# KiCad board fpga.kicad_pcb
title: CPArti: Artix-7 FPGA Development Board; date: 2024-08-22; rev: 1.0
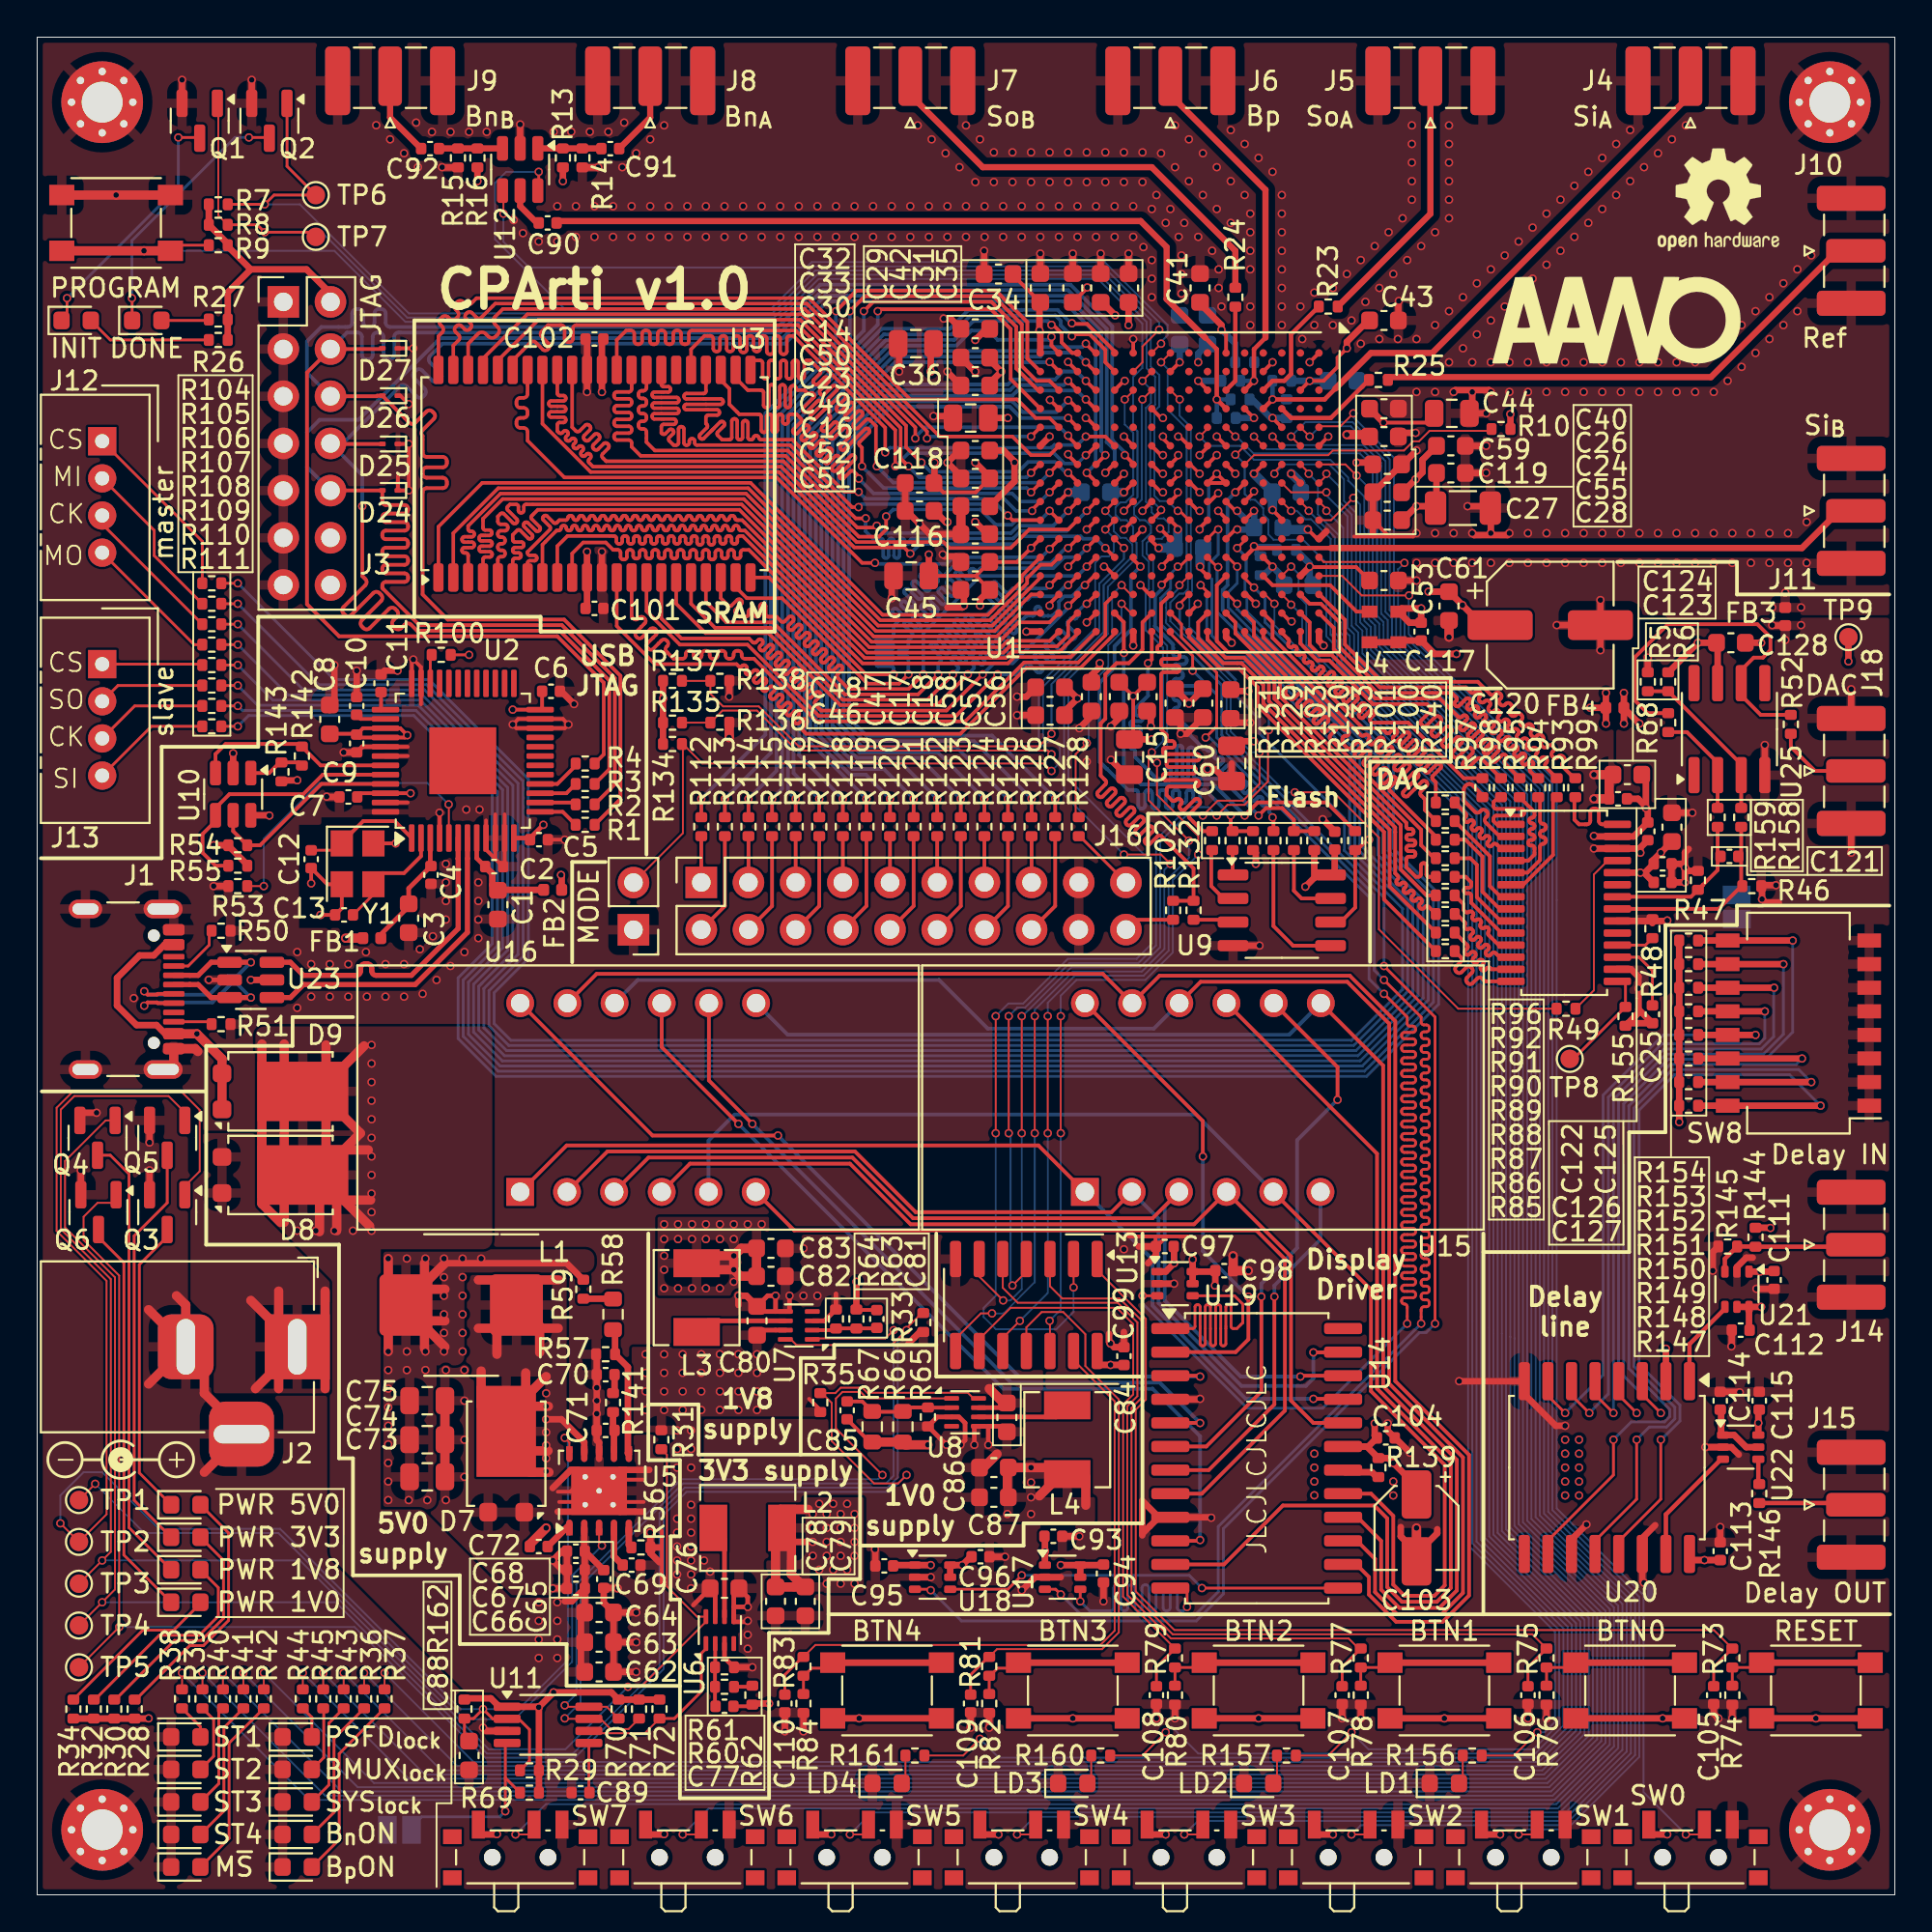
[diagram p0: board, top side]
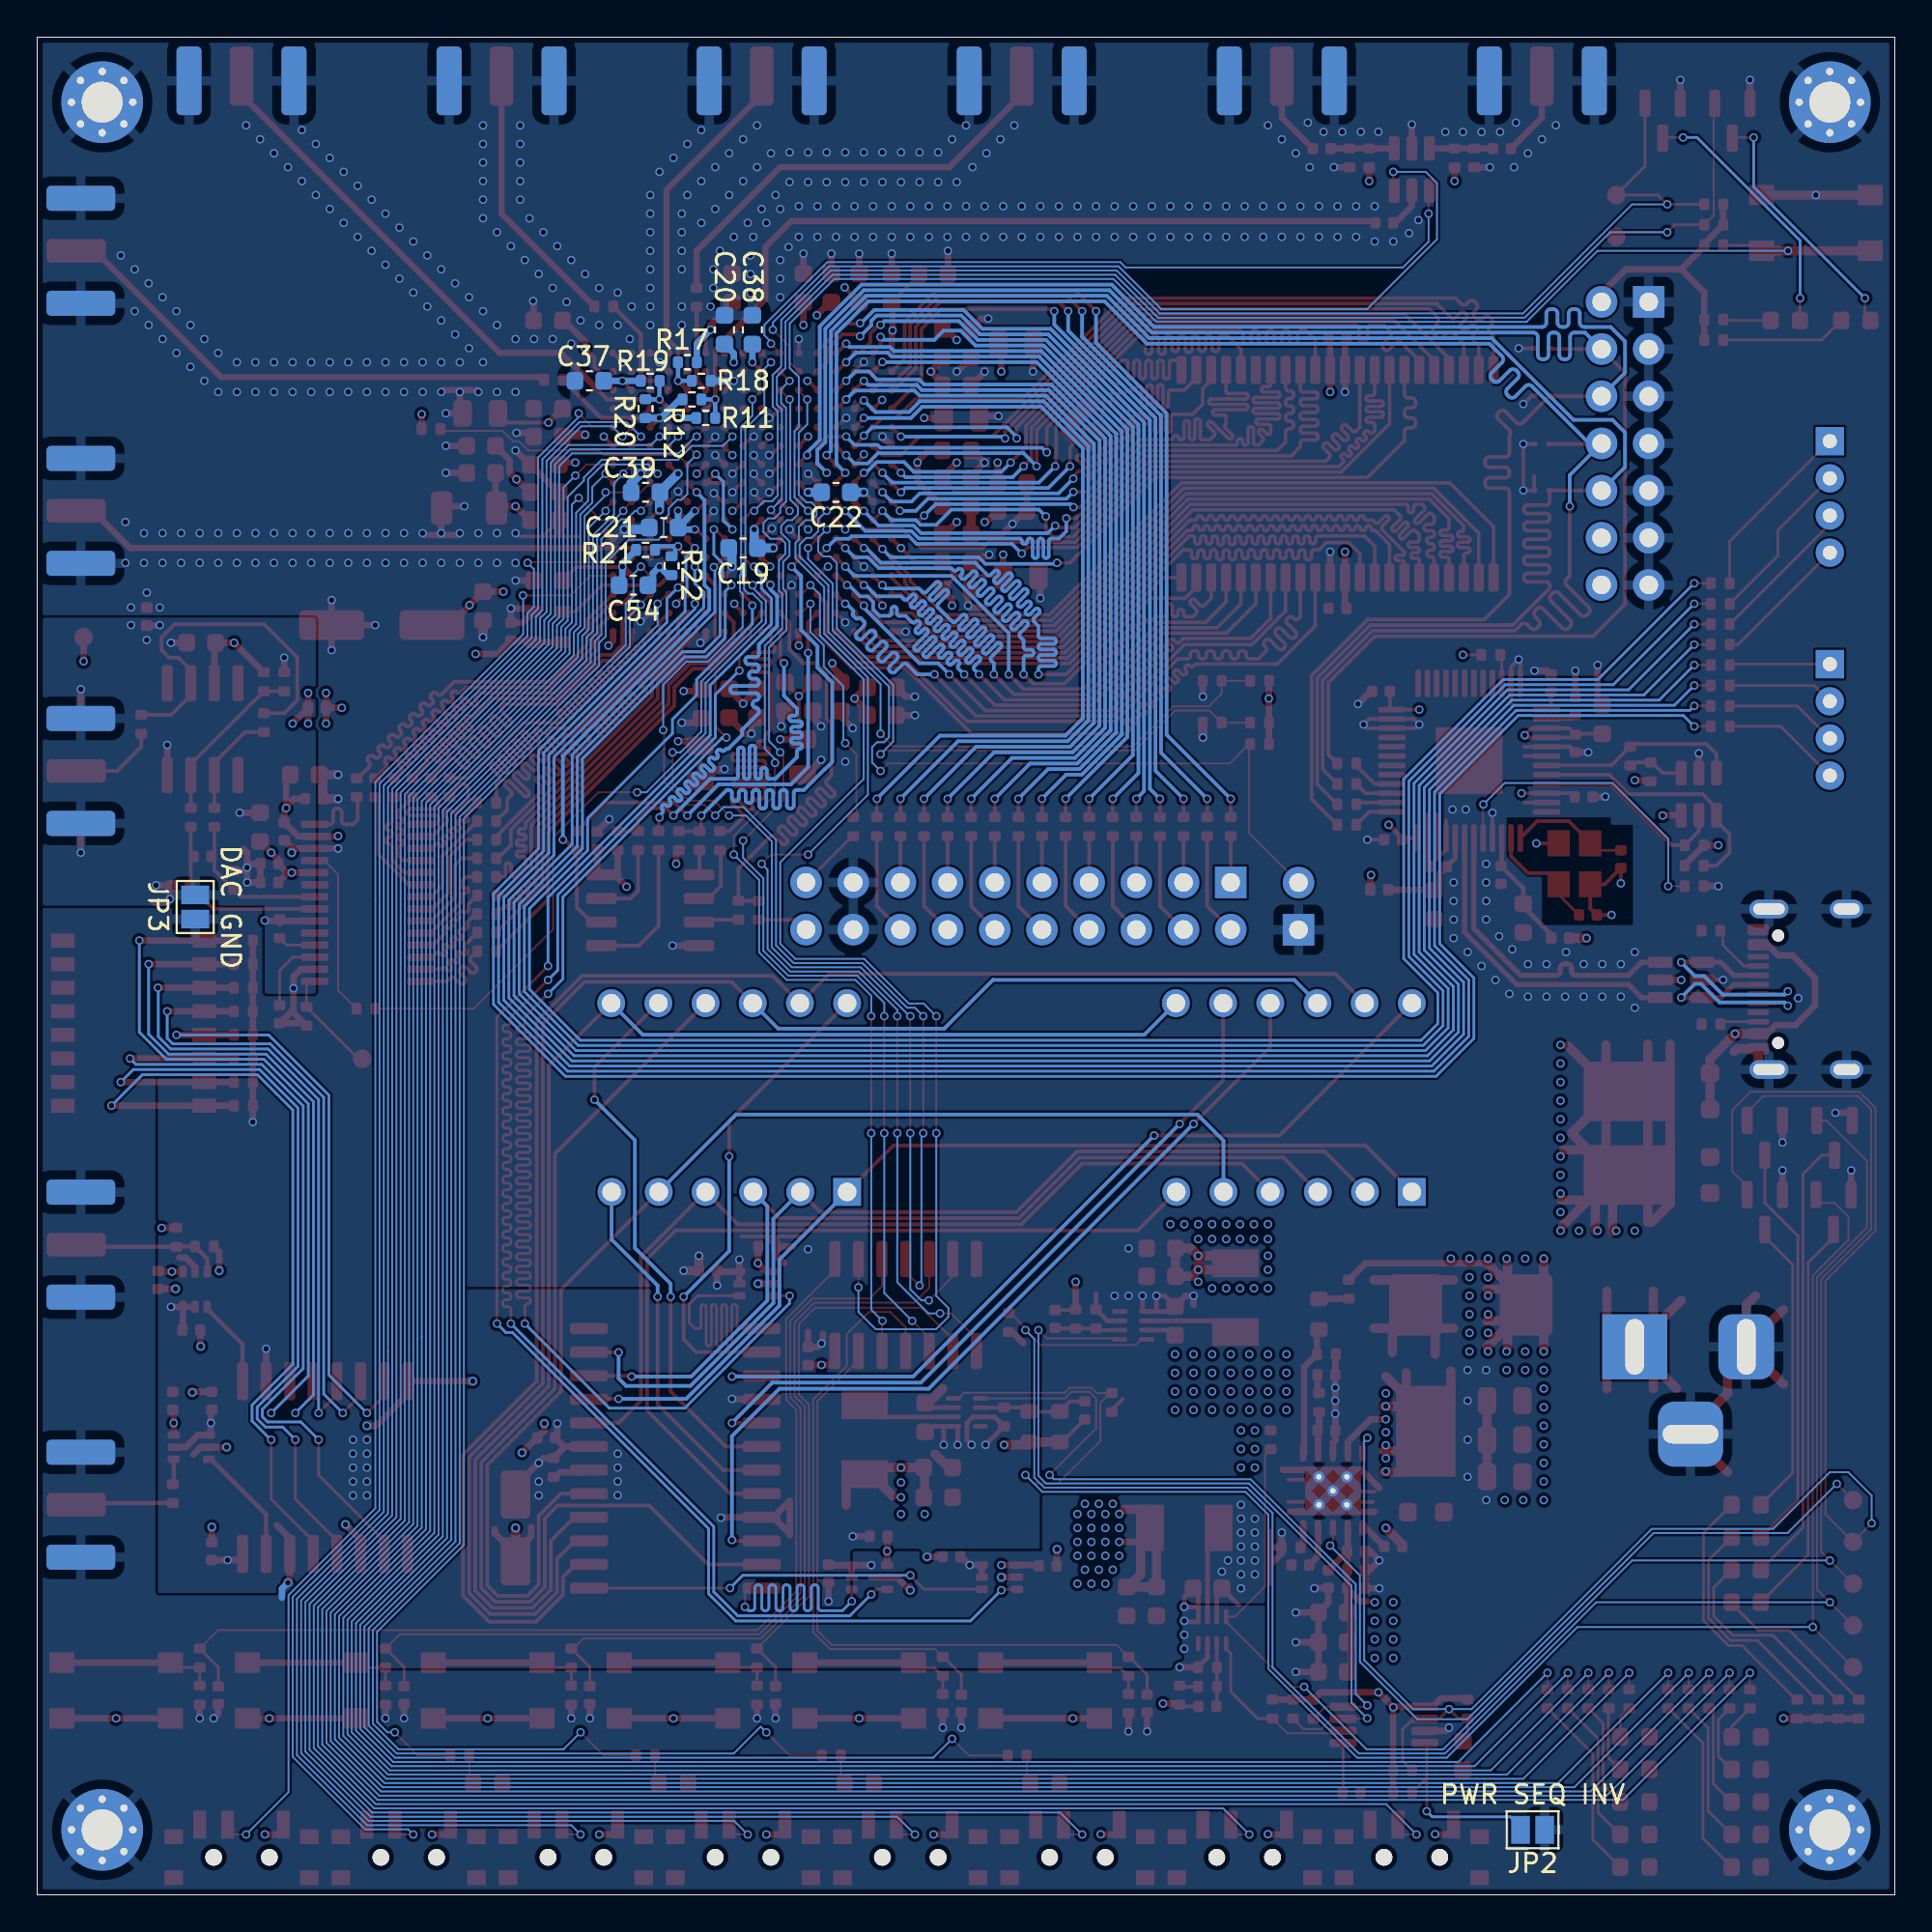
[diagram p1: board, bottom side, seen from below]

Outline 100 x 100 mm; copper layers: Top, In1(GND).Cu (plane), In2(VCC).Cu (plane), Bottom. Coordinates in mm from the lower left corner of the outline.
Outline path: 0,100 100,100 100,0 0,0 0,100
Stack: Top 0.035mm / dielectric 0.2104mm FR4 er 4.5 / In1(GND).Cu 0.0152mm / dielectric 1.065mm FR4 er 4.5 / In2(VCC).Cu 0.0152mm / dielectric 0.2104mm FR4 er 4.5 / Bottom 0.035mm

## Placement (name value [footprint] x y rotation side)
BTN0  SW_Push  [SW_Push_TSC015A035_4.5x4.5mm_H4.5mm]  85.75 11 180 top
BTN1  SW_Push  [SW_Push_TSC015A035_4.5x4.5mm_H4.5mm]  75.75 11 180 top
BTN2  SW_Push  [SW_Push_TSC015A035_4.5x4.5mm_H4.5mm]  65.75 11 180 top
BTN3  SW_Push  [SW_Push_TSC015A035_4.5x4.5mm_H4.5mm]  55.75 11 180 top
BTN4  SW_Push  [SW_Push_TSC015A035_4.5x4.5mm_H4.5mm]  45.75 11 180 top
BTN6  RESET  [SW_Push_TSC015A035_4.5x4.5mm_H4.5mm]  95.75 11 180 top
BTN7  PROGRAM  [SW_Push_TSC015A035_4.5x4.5mm_H4.5mm]  4.25 90 180 top
C1  4.7u  [C_0603_1608Metric]  24.8 53.3 90 top
C2  100n  [C_0402_1005Metric]  24.6 55.35 180 top
C3  4.7u  [C_0603_1608Metric]  20 52.58 90 top
C4  100n  [C_0402_1005Metric]  21.2 54.9 90 top
C5  100n  [C_0402_1005Metric]  27.01 56.8 180 top
C6  100n  [C_0402_1005Metric]  27.66 64.79 180 top
C7  100n  [C_0402_1005Metric]  16.75 59.1 0 top
C8  4.7u  [C_0603_1608Metric]  15.75 63.28 270 top
C9  100n  [C_0402_1005Metric]  17.2 61.98 90 top
C10  100n  [C_0402_1005Metric]  17.2 64 270 top
C11  100n  [C_0402_1005Metric]  18.51 65.22 270 top
C12  20p  [C_0402_1005Metric]  14.75 55.75 90 top
C13  20p  [C_0402_1005Metric]  16.52 52.75 0 top
C14  47u  [C_0805_2012Metric]  50.25 79.5 180 top
C15  47u  [C_0805_2012Metric]  58.8 61.25 90 top
C16  470n  [C_0603_1608Metric]  50.5 73.25 0 top
C17  4.7u  [C_0603_1608Metric]  58.25 64.5 90 top
C18  470n  [C_0603_1608Metric]  59.75 64.5 90 top
C19  470n  [C_0603_1608Metric]  62 72.5 180 bottom
C20  470n  [C_0603_1608Metric]  63 84.25 270 bottom
C21  470n  [C_0603_1608Metric]  66.28 73.6 180 bottom
C22  470n  [C_0603_1608Metric]  57 75.5 0 bottom
C23  470n  [C_0603_1608Metric]  50.5 76.25 0 top
C24  4.7u  [C_0603_1608Metric]  72.68 77 180 top
C25  100n  [C_0402_1005Metric]  86.95 47.4 270 top
C26  470n  [C_0603_1608Metric]  72.5 78.5 0 top
C27  100u  [C_1206_3216Metric]  76.75 74.65 180 top
C28  470n  [C_0603_1608Metric]  72.68 74 0 top
C29  470n  [C_0603_1608Metric]  54 86.5 270 top
C30  470n  [C_0603_1608Metric]  50.5 81.25 0 top
C31  470n  [C_0603_1608Metric]  57.25 86.5 270 top
C32  470n  [C_0603_1608Metric]  50.5 84.3 0 top
C33  470n  [C_0603_1608Metric]  50.5 82.75 0 top
C34  4.7u  [C_0603_1608Metric]  51.75 87.25 0 top
C35  4.7u  [C_0603_1608Metric]  58.75 86.5 270 top
C36  47u  [C_0805_2012Metric]  47.3 83.5 0 top
C37  470n  [C_0603_1608Metric]  70.28 81.5 180 bottom
C38  470n  [C_0603_1608Metric]  61.5 84.25 270 bottom
C39  470n  [C_0603_1608Metric]  67.25 75.5 180 bottom
C40  470n  [C_0603_1608Metric]  72.5 80 180 top
C41  470n  [C_0603_1608Metric]  62.6 86.5 270 top
C42  4.7u  [C_0603_1608Metric]  55.75 86.5 270 top
C43  4.7u  [C_0603_1608Metric]  72.5 84.75 180 top
C44  47u  [C_0805_2012Metric]  76.15 79.75 180 top
C45  47u  [C_0805_2012Metric]  47.05 71 0 top
C46  4.7u  [C_0603_1608Metric]  54.53 63.5 0 top
C47  4.7u  [C_0603_1608Metric]  56.75 64.5 90 top
C48  470n  [C_0603_1608Metric]  54.53 65 0 top
C49  470n  [C_0603_1608Metric]  50.5 74.75 0 top
C50  470n  [C_0603_1608Metric]  50.5 77.75 0 top
C51  470n  [C_0603_1608Metric]  50.5 70.25 0 top
C52  470n  [C_0603_1608Metric]  50.5 71.75 0 top
C53  470n  [C_0603_1608Metric]  72.5 70.75 180 top
C54  470n  [C_0603_1608Metric]  67.9 70.5 0 bottom
C55  470n  [C_0603_1608Metric]  72.68 75.5 0 top
C56  470n  [C_0603_1608Metric]  64.25 64.1 90 top
C57  470n  [C_0603_1608Metric]  62.75 64.15 90 top
C58  4.7u  [C_0603_1608Metric]  61.25 64.15 90 top
C59  4.7u  [C_0603_1608Metric]  76.1 78 180 top
C60  47u  [C_0805_2012Metric]  64.3 60.9 90 top
C61  4.7u  [C_0603_1608Metric]  76 69.38 90 top
C62  10u  [C_0603_1608Metric]  30.25 12 180 top
C63  10u  [C_0603_1608Metric]  30.25 13.6 180 top
C64  10u  [C_0603_1608Metric]  30.25 15.2 180 top
C65  2u2  [C_0402_1005Metric]  30.5 17 90 top
C66  2u2  [C_0402_1005Metric]  29 16.5 0 top
C67  2u2  [C_0402_1005Metric]  29 17.5 0 top
C68  2u2  [C_0402_1005Metric]  29 18.5 0 top
C69  10n  [C_0402_1005Metric]  32 17.75 180 top
C70  4n7  [C_0402_1005Metric]  30.6 28 0 top
C71  47p  [C_0402_1005Metric]  30.6 25 0 top
C72  100n  [C_0402_1005Metric]  27 18.75 0 top
C73  47u  [C_0805_2012Metric]  21 22.5 180 top
C74  47u  [C_0805_2012Metric]  21 24.5 180 top
C75  47u  [C_0805_2012Metric]  21 26.6 180 top
C76  10u  [C_0603_1608Metric]  37 16.5 180 top
C77  120p  [C_0402_1005Metric]  37 10.15 0 top
C78  10u  [C_0603_1608Metric]  39.75 15.8 90 top
C79  10u  [C_0603_1608Metric]  41.35 15.8 90 top
C80  10u  [C_0603_1608Metric]  38.75 30.9 270 top
C81  120p  [C_0402_1005Metric]  45.2 31 90 top
C82  10u  [C_0603_1608Metric]  39.5 33.3 180 top
C83  10u  [C_0603_1608Metric]  39.5 34.8 180 top
C84  10u  [C_0603_1608Metric]  52.2 25.7 90 top
C85  120p  [C_0402_1005Metric]  43.6 26.08 270 top
C86  10u  [C_0603_1608Metric]  51.5 23 0 top
C87  10u  [C_0603_1608Metric]  51.5 21.4 0 top
C88  10u  [C_0603_1608Metric]  23.25 7.5 90 top
C89  10n  [C_0402_1005Metric]  29.25 5.5 0 top
C90  10n  [C_0402_1005Metric]  27.48 90 180 top
C91  10n  [C_0402_1005Metric]  30.85 94 0 top
C92  10n  [C_0402_1005Metric]  21.15 94 180 top
C93  100n  [C_0402_1005Metric]  54.7 19.3 180 top
C94  100n  [C_0402_1005Metric]  57.4 17.3 90 top
C95  100n  [C_0402_1005Metric]  45.6 17.71 0 top
C96  100n  [C_0402_1005Metric]  50.78 18.2 180 top
C97  100n  [C_0402_1005Metric]  60.7 34.9 0 top
C98  100n  [C_0402_1005Metric]  63.9 33.6 180 top
C99  100n  [C_0402_1005Metric]  58.5 29 270 top
C100  100n  [C_0402_1005Metric]  69.85 56.75 270 top
C101  100n  [C_0402_1005Metric]  30 69.25 180 top
C102  100n  [C_0402_1005Metric]  30 83.75 0 top
C103  10u  [CP_Elec_4x5.4]  74.25 19.75 270 top
C104  100n  [C_0402_1005Metric]  72.6 24.6 180 top
C105  100n  [C_0402_1005Metric]  90.25 10.75 90 top
C106  100n  [C_0402_1005Metric]  80.25 10.75 90 top
C107  100n  [C_0402_1005Metric]  70.25 10.75 90 top
C108  100n  [C_0402_1005Metric]  60.25 10.75 90 top
C109  100n  [C_0402_1005Metric]  50.25 10.3 90 top
C110  100n  [C_0402_1005Metric]  40.25 10.3 90 top
C111  100n  [C_0402_1005Metric]  93.5 33.1 90 top
C112  100n  [C_0402_1005Metric]  91.7 30.4 0 top
C113  100n  [C_0402_1005Metric]  90.6 18.5 270 top
C114  100n  [C_0402_1005Metric]  90.6 26.6 270 top
C115  100n  [C_0402_1005Metric]  92.7 26.6 270 top
C116  4.7u  [C_0603_1608Metric]  47.5 74.5 0 top
C117  100n  [C_0402_1005Metric]  74.5 68 270 top
C118  4.7u  [C_0603_1608Metric]  47.5 76 0 top
C119  470n  [C_0603_1608Metric]  76.1 76.54 180 top
C120  330u  [CP_Elec_6.3x7.7]  81.45 68.35 0 top
C121  ~  [C_0402_1005Metric]  91.09 55.9 180 top  (not fitted)
C122  100n  [C_0402_1005Metric]  86.7 57.25 270 top
C123  100n  [C_0402_1005Metric]  85.1 59 180 top
C124  10u  [C_0603_1608Metric]  85.6 60.3 0 top
C125  10u  [C_0603_1608Metric]  88 57.47 270 top
C126  100n  [C_0402_1005Metric]  87.5 55.5 0 top
C127  100n  [C_0402_1005Metric]  87.5 54.5 0 top
C128  10u  [C_0603_1608Metric]  91.18 67.4 180 top
D1  INIT  [LED_0603_1608Metric]  2.1 84.75 0 top
D2  DONE  [LED_0603_1608Metric]  5.9 84.75 0 top
D3  PWR 5V0  [LED_0603_1608Metric]  8 21 0 top
D4  PWR 3V3  [LED_0603_1608Metric]  8 19.25 0 top
D5  PWR 1V8  [LED_0603_1608Metric]  8 17.5 0 top
D6  PWR 1V0  [LED_0603_1608Metric]  8 15.75 0 top
D7  PDS760  [TO-277B]  25.25 23.75 180 top
D8  PDS760  [TO-277B]  13.1 38.75 90 top
D9  PDS760  [TO-277B]  13.1 43.25 90 top
D10  B_{n}ON  [LED_0603_1608Metric]  14 3.25 0 top
D11  B_{p}ON  [LED_0603_1608Metric]  14 1.5 0 top
D12  ST1  [LED_0603_1608Metric]  8 8.5 0 top
D13  ST2  [LED_0603_1608Metric]  8 6.75 0 top
D14  ST3  [LED_0603_1608Metric]  8 5 0 top
D15  ST4  [LED_0603_1608Metric]  8 3.25 0 top
D16  M~{S}  [LED_0603_1608Metric]  8 1.5 0 top
D17  SYS_{lock}  [LED_0603_1608Metric]  14 5 0 top
D18  PSFD_{lock}  [LED_0603_1608Metric]  14 8.5 0 top
D19  BMUX_{lock}  [LED_0603_1608Metric]  14 6.75 0 top
D20  LD1  [LED_0603_1608Metric]  75.75 6 0 top
D21  LD2  [LED_0603_1608Metric]  65.75 6 0 top
D22  LD3  [LED_0603_1608Metric]  55.75 6 0 top
D23  LD4  [LED_0603_1608Metric]  45.75 6 0 top
D24  ESD9B3.3ST5G  [D_SOD-923]  19 75.6 180 top
D25  ESD9B3.3ST5G  [D_SOD-923]  19 78.1 180 top
D26  ESD9B3.3ST5G  [D_SOD-923]  19 80.7 180 top
D27  ESD9B3.3ST5G  [D_SOD-923]  19 83.25 180 top
FB1  BLM15AG601SN1D  [L_0402_1005Metric]  18.01 51.5 0 top
FB2  BLM15AG601SN1D  [L_0402_1005Metric]  27.75 54.1 180 top
FB3  BLM15AG601SN1D  [L_0402_1005Metric]  94.1 68.81 270 top
FB4  BLM15AG601SN1D  [L_0402_1005Metric]  84.93 63.9 0 top
G***  LOGO  [AAWO_logo_13.5x4.7mm]  85 84.75 0 top
H1  MountingHole_Pad  [MountingHole_2.2mm_M2_Pad_Via]  96.5 3.5 180 top
H2  MountingHole_Pad  [MountingHole_2.2mm_M2_Pad_Via]  3.5 96.5 90 top
H3  MountingHole_Pad  [MountingHole_2.2mm_M2_Pad_Via]  3.5 3.5 180 top
H4  MountingHole_Pad  [MountingHole_2.2mm_M2_Pad_Via]  96.5 96.5 90 top
J1  USB_C_Receptacle_USB2.0_16P  [USB_C_Receptacle_GCT_USB4105-xx-A_16P_TopMnt_Horizontal]  3.68 48.75 270 top
J2  Barrel_Jack_Switch  [BarrelJack_Horizontal]  14 29.5 0 top
J3  JTAG  [PinHeader_2x07_P2.54mm_Vertical]  13.25 85.75 0 top  (not fitted)
J4  Si_{A}  [SMA_Samtec_SMA-J-P-H-ST-EM1_EdgeMount]  89 97.9 90 top
J5  So_{A}  [SMA_Samtec_SMA-J-P-H-ST-EM1_EdgeMount]  75 97.9 90 top
J6  Bp  [SMA_Samtec_SMA-J-P-H-ST-EM1_EdgeMount]  61 97.9 90 top
J7  So_{B}  [SMA_Samtec_SMA-J-P-H-ST-EM1_EdgeMount]  47 97.9 90 top
J8  Bn_{A}  [SMA_Samtec_SMA-J-P-H-ST-EM1_EdgeMount]  33 97.9 90 top
J9  Bn_{B}  [SMA_Samtec_SMA-J-P-H-ST-EM1_EdgeMount]  19 97.9 90 top
J10  Ref  [SMA_Samtec_SMA-J-P-H-ST-EM1_EdgeMount]  97.9 88.5 0 top
J11  Si_{B}  [SMA_Samtec_SMA-J-P-H-ST-EM1_EdgeMount]  97.9 74.5 0 top
J12  master  [NS-Tech_Grove_1x04_P2mm_Vertical]  3.5 78.25 0 top
J13  slave  [NS-Tech_Grove_1x04_P2mm_Vertical]  3.5 66.25 0 top
J14  Delay IN  [SMA_Samtec_SMA-J-P-H-ST-EM1_EdgeMount]  97.9 35 0 top
J15  Delay OUT  [SMA_Samtec_SMA-J-P-H-ST-EM1_EdgeMount]  97.9 21 0 top
J16  Conn_02x10_Odd_Even  [PinSocket_2x10_P2.54mm_Vertical]  35.75 54.5 90 top
J18  DAC  [SMA_Samtec_SMA-J-P-H-ST-EM1_EdgeMount]  97.9 60.5 0 top
JP1  MODE  [PinHeader_1x02_P2.54mm_Vertical]  32.1 51.95 180 top
JP2  PWR SEQ INV  [SolderJumper-2_P1.3mm_Open_Pad1.0x1.5mm]  19.5 3.5 0 bottom
JP3  DAC GND  [SolderJumper-2_P1.3mm_Open_Pad1.0x1.5mm]  91.49 53.18 90 bottom
L1  6.8uH/6.8A  [L_TDK_SPM7054VT]  22.82 31.75 180 top
L2  470nH/7.6A  [L_Chilisin_BMRx00040412]  38.25 19.75 0 top
L3  470nH/7.6A  [L_Chilisin_BMRx00040412]  35.5 32.15 90 top
L4  470nH/7.6A  [L_Chilisin_BMRx00040412]  55.45 24.5 270 top
NT1  NetTie_2  [NetTie-2_SMD_Pad0.2355mm]  63.2 83.5 135 top
NT2  NetTie_2  [NetTie-2_SMD_Pad0.2355mm]  65.8 83.5 45 top
NT3  NetTie_2  [NetTie-2_SMD_Pad0.2355mm]  69.6 80.8 45 top
NT4  NetTie_2  [NetTie-2_SMD_Pad0.2355mm]  69.25 72.5 0 top
Q1  2N7002  [SOT-23]  8.75 95.5 270 top
Q2  2N7002  [SOT-23]  12.5 95.5 270 top
Q3  2N7002  [SOT-23]  7 36.75 270 top
Q4  2N7002  [SOT-23]  3.25 40.75 270 top
Q5  2N7002  [SOT-23]  7 40.75 270 top
Q6  2N7002  [SOT-23]  3.3 36.75 270 top
R1  22R  [R_0402_1005Metric]  29.5 57.6 0 top
R2  22R  [R_0402_1005Metric]  29.5 58.7 0 top
R3  22R  [R_0402_1005Metric]  29.5 59.8 0 top
R4  22R  [R_0402_1005Metric]  29.5 60.9 0 top
R5  1k  [R_0402_1005Metric]  86.7 65.3 270 top
R6  1k  [R_0402_1005Metric]  87.8 65.3 270 top
R7  330R  [R_0402_1005Metric]  9.75 91 180 top
R8  4k7  [R_0402_1005Metric]  9.75 89.9 180 top
R9  4k7  [R_0402_1005Metric]  9.75 88.8 0 top
R10  4k7  [R_0402_1005Metric]  78.8 78.91 0 top
R11  100  [R_0402_1005Metric]  64.01 79.5 180 bottom
R12  100  [R_0402_1005Metric]  64.75 80.5 0 bottom
R13  100  [R_0402_1005Metric]  28.3 93.5 90 top
R14  100  [R_0402_1005Metric]  29.35 93.5 270 top
R15  100  [R_0402_1005Metric]  23.7 93.5 90 top
R16  100  [R_0402_1005Metric]  22.65 93.5 270 top
R17  100  [R_0402_1005Metric]  65 82.5 0 bottom
R18  100  [R_0402_1005Metric]  64.25 81.5 180 bottom
R19  100  [R_0402_1005Metric]  67 81.5 180 bottom
R20  100  [R_0402_1005Metric]  67.25 80 270 bottom
R21  100  [R_0402_1005Metric]  67.25 72.4 180 bottom
R22  100  [R_0402_1005Metric]  65.85 71.55 270 bottom
R23  0  [R_0402_1005Metric]  69.5 85.5 180 top
R24  0  [R_0402_1005Metric]  64.5 86 270 top
R25  0  [R_0402_1005Metric]  72.2 81.55 180 top
R26  1k  [R_0402_1005Metric]  9.75 83.7 0 top
R27  1k  [R_0402_1005Metric]  9.75 84.8 0 top
R28  1k  [R_0402_1005Metric]  5.25 10 270 top
R29  10k  [R_0402_1005Metric]  26.5 6.7 180 top
R30  1k  [R_0402_1005Metric]  4.15 10 270 top
R31  10k  [R_0402_1005Metric]  33.6 24.5 270 top
R32  1k  [R_0402_1005Metric]  3.05 10 270 top
R33  10k  [R_0402_1005Metric]  47.7 30.81 90 top
R34  1k  [R_0402_1005Metric]  1.95 10 270 top
R35  10k  [R_0402_1005Metric]  42.16 26.5 90 top
R36  330R  [R_0402_1005Metric]  17.6 10.55 270 top
R37  330R  [R_0402_1005Metric]  18.7 10.55 270 top
R38  330R  [R_0402_1005Metric]  7.8 10.55 270 top
R39  330R  [R_0402_1005Metric]  8.9 10.55 270 top
R40  330R  [R_0402_1005Metric]  10 10.55 270 top
R41  330R  [R_0402_1005Metric]  11.1 10.55 270 top
R42  330R  [R_0402_1005Metric]  12.2 10.55 270 top
R43  330R  [R_0402_1005Metric]  16.5 10.55 270 top
R44  330R  [R_0402_1005Metric]  14.3 10.55 270 top
R45  330R  [R_0402_1005Metric]  15.4 10.55 270 top
R46  25R5  [R_0402_1005Metric]  92.3 54.3 0 top
R47  25R5  [R_0402_1005Metric]  89.4 54.61 90 top
R48  2k  [R_0402_1005Metric]  86.95 52.01 270 top
R49  22R  [R_0402_1005Metric]  82.3 47.7 0 top
R50  5k1  [R_0402_1005Metric]  9.9 51.9 0 top
R51  5k1  [R_0402_1005Metric]  9.9 46.87 0 top
R52  0  [R_0402_1005Metric]  94.4 63.01 90 top
R53  12k/1%  [R_0402_1005Metric]  10.8 54.3 0 top
R54  10k  [R_0402_1005Metric]  10.8 56.5 0 top
R55  10k  [R_0402_1005Metric]  10.8 55.4 180 top
R56  243k  [R_0402_1005Metric]  32.5 18.7 0 top
R57  12k  [R_0402_1005Metric]  30.6 29.1 180 top
R58  62k  [R_0603_1608Metric]  31 31.25 270 top
R59  1k  [R_0402_1005Metric]  29.4 32.6 90 top
R60  100k  [R_0402_1005Metric]  37 12.25 180 top
R61  150k  [R_0402_1005Metric]  37 11.2 0 top
R62  300k  [R_0402_1005Metric]  38.5 10.75 270 top
R63  200k  [R_0402_1005Metric]  44.1 31 90 top
R64  100k  [R_0402_1005Metric]  43 31 270 top
R65  120k  [R_0402_1005Metric]  47.95 25.72 90 top
R66  160k  [R_0603_1608Metric]  46.6 25.2 270 top
R67  160k  [R_0603_1608Metric]  44.95 25.2 270 top
R68  500  [R_0402_1005Metric]  87.8 63.1 90 top
R69  10k  [R_0402_1005Metric]  26.5 5.5 0 top
R70  100k  [R_0402_1005Metric]  31.3 10 90 top
R71  100k  [R_0402_1005Metric]  32.4 10 90 top
R72  100k  [R_0402_1005Metric]  33.5 10 90 top
R73  10k  [R_0402_1005Metric]  91.25 12.75 90 top
R74  10k  [R_0402_1005Metric]  91.25 10.75 270 top
R75  10k  [R_0402_1005Metric]  81.25 12.75 90 top
R76  10k  [R_0402_1005Metric]  81.25 10.75 270 top
R77  10k  [R_0402_1005Metric]  71.25 12.75 90 top
R78  10k  [R_0402_1005Metric]  71.25 10.75 270 top
R79  10k  [R_0402_1005Metric]  61.25 12.75 90 top
R80  10k  [R_0402_1005Metric]  61.25 10.75 270 top
R81  10k  [R_0402_1005Metric]  51.25 12.3 90 top
R82  10k  [R_0402_1005Metric]  51.25 10.3 270 top
R83  10k  [R_0402_1005Metric]  41.25 12.3 90 top
R84  10k  [R_0402_1005Metric]  41.25 10.3 270 top
R85  22R  [R_0402_1005Metric]  75.8 50.8 0 top
R86  22R  [R_0402_1005Metric]  75.8 51.8 0 top
R87  22R  [R_0402_1005Metric]  75.8 52.8 0 top
R88  22R  [R_0402_1005Metric]  75.8 53.8 0 top
R89  22R  [R_0402_1005Metric]  75.8 54.8 0 top
R90  22R  [R_0402_1005Metric]  75.8 55.8 0 top
R91  22R  [R_0402_1005Metric]  75.8 56.8 0 top
R92  22R  [R_0402_1005Metric]  75.8 57.8 0 top
R93  22R  [R_0402_1005Metric]  81.8 59.6 270 top
R94  22R  [R_0402_1005Metric]  80.8 59.6 270 top
R95  22R  [R_0402_1005Metric]  79.8 59.6 270 top
R96  22R  [R_0402_1005Metric]  75.8 58.8 0 top
R97  22R  [R_0402_1005Metric]  77.8 59.6 270 top
R98  22R  [R_0402_1005Metric]  78.8 59.6 270 top
R99  22R  [R_0402_1005Metric]  82.8 59.6 270 top
R100  10k  [R_0402_1005Metric]  21.75 66.75 0 top
R101  2k  [R_0402_1005Metric]  68.75 56.75 270 top
R102  2k  [R_0402_1005Metric]  61.15 53 270 top
R103  4k7  [R_0402_1005Metric]  65.45 56.75 270 top
R104  22R  [R_0402_1005Metric]  9.4 70.6 180 top
R105  22R  [R_0402_1005Metric]  9.4 69.5 180 top
R106  22R  [R_0402_1005Metric]  9.4 68.4 180 top
R107  22R  [R_0402_1005Metric]  9.4 67.3 180 top
R108  22R  [R_0402_1005Metric]  9.4 66.2 180 top
R109  22R  [R_0402_1005Metric]  9.4 65.1 180 top
R110  22R  [R_0402_1005Metric]  9.4 64 180 top
R111  22R  [R_0402_1005Metric]  9.4 62.9 180 top
R112  100  [R_0402_1005Metric]  35.75 57.5 270 top
R113  100  [R_0402_1005Metric]  37.02 57.5 270 top
R114  100  [R_0402_1005Metric]  38.29 57.5 270 top
R115  100  [R_0402_1005Metric]  39.56 57.5 270 top
R116  100  [R_0402_1005Metric]  40.83 57.5 270 top
R117  100  [R_0402_1005Metric]  42.1 57.5 270 top
R118  100  [R_0402_1005Metric]  43.37 57.5 270 top
R119  100  [R_0402_1005Metric]  44.64 57.5 270 top
R120  100  [R_0402_1005Metric]  45.91 57.5 270 top
R121  100  [R_0402_1005Metric]  47.18 57.5 270 top
R122  100  [R_0402_1005Metric]  48.45 57.5 270 top
R123  100  [R_0402_1005Metric]  49.72 57.5 270 top
R124  100  [R_0402_1005Metric]  50.99 57.5 270 top
R125  100  [R_0402_1005Metric]  52.26 57.5 270 top
R126  100  [R_0402_1005Metric]  53.53 57.5 270 top
R127  100  [R_0402_1005Metric]  54.8 57.5 270 top
R128  1k  [R_0402_1005Metric]  56.07 57.5 90 top
R129  100  [R_0402_1005Metric]  64.35 56.75 270 top
R130  100  [R_0402_1005Metric]  66.55 56.75 270 top
R131  100  [R_0402_1005Metric]  63.25 56.75 270 top
R132  100  [R_0402_1005Metric]  62.25 53 270 top
R133  100  [R_0402_1005Metric]  67.65 56.75 270 top
R134  1k  [R_0402_1005Metric]  34.2 61.95 180 top
R135  0  [R_0402_1005Metric]  34.2 63.1 0 top  (not fitted)
R136  0  [R_0402_1005Metric]  36.75 63.1 0 top
R137  0  [R_0402_1005Metric]  34.2 65.35 0 top
R138  0  [R_0402_1005Metric]  36.75 65.35 0 top  (not fitted)
R139  10k  [R_0402_1005Metric]  72.2 23 270 top
R140  49R9  [R_0402_1005Metric]  70.95 56.75 90 top